# KiCad board we816.kicad_pcb (continued)
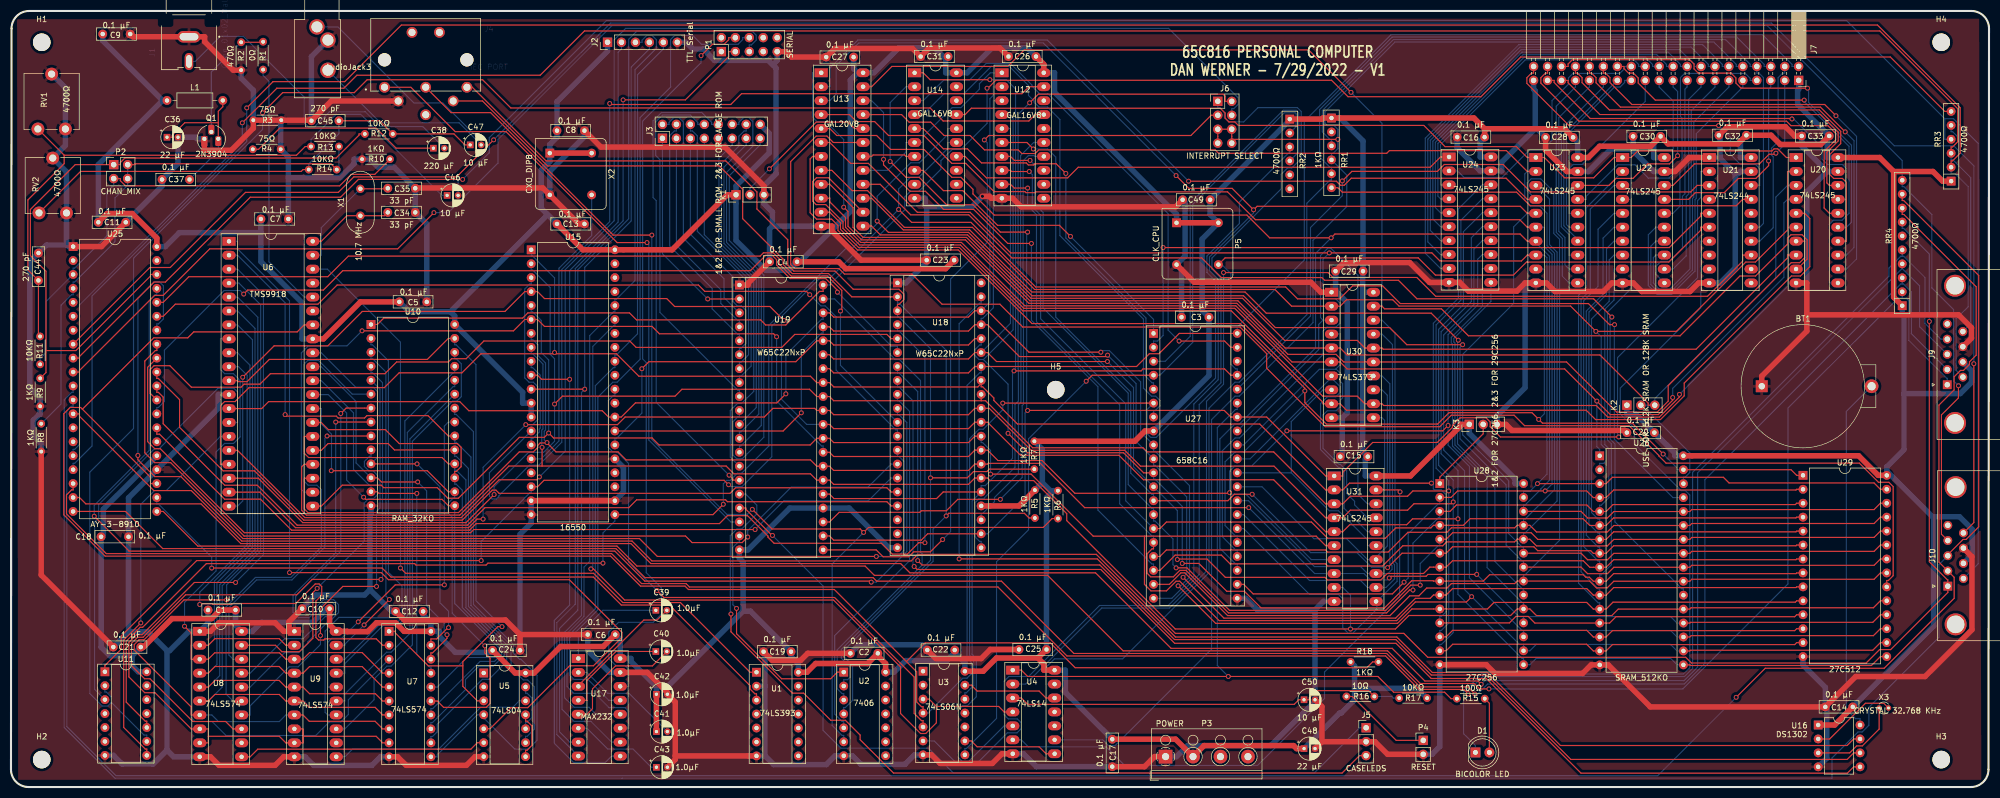
[diagram p0: board, top side]
## Nets (continued)
D2: U6.19 U15.3 U18.31 U19.31 U24.16 U26.15 U28.13 U29.13 U31.4
D3: U6.20 U15.4 U18.30 U19.30 U24.15 U26.17 U28.15 U29.15 U31.5
D4: U6.21 U15.5 U18.29 U19.29 U24.14 U26.18 U28.16 U29.16 U31.6
D5: U6.22 U15.6 U18.28 U19.28 U24.13 U26.19 U28.17 U29.17 U31.7
D6: U6.23 U15.7 U18.27 U19.27 U24.12 U26.20 U28.18 U29.18 U31.8
D7: U6.24 U15.8 U18.26 U19.26 U24.11 U26.21 U28.19 U29.19 U31.9
DATA_DIR: U14.14 U24.1
EMU: R15.2 U4.1 U27.35
INT: RR2.2 U3.8 U27.4
IO: U12.1 U13.17 U14.6
KB_CAPS_LED: J3.11 U19.14
KB_GRAPH_LED: J3.10 U19.15
LED_1: J5.3 U19.16
LED_2: J5.1 U19.17
LED_ANODE: D1.1 U21.7
ML: U14.5 U27.5
N_EMU: U4.2 U21.13
NMI: RR2.3 U3.12 U27.6
O1_ROM: U13.19 U29.20
P1_A: J9.6 RR3.2 U25.17
P1_B: J9.9 RR3.3 U25.16
P1_D: J9.2 RR4.3 U25.20
P1_L: J9.3 RR4.4 U25.19
P1_R: J9.4 RR4.5 U25.18
P1_U: J9.1 RR4.2 U25.21
P2_A: J10.6 RR3.4 U25.9
P2_B: J10.9 RR3.5 U25.8
P2_D: J10.2 RR4.8 U25.12
P2_L: J10.3 RR4.9 U25.11
P2_R: J10.4 RR4.10 U25.10
P2_U: J10.1 RR4.7 U25.13
RD: U11.10 U14.16 U15.21 U26.24 U28.22 U29.22
RESET: J7.2 R18.2 U3.4 U6.34 U18.34 U19.34 U25.23 U27.40
ROWA: J3.15 U19.10
ROWB: J3.14 U19.11
ROWC: J3.13 U19.12
ROWD: J3.12 U19.13
RTS: P1.4 U17.14
RTS_TTL: J2.5 U15.32 U17.11
RW: U14.2 U18.22 U19.22 U21.2 U27.34 U31.1
RX: P1.3 U17.8
SERATNOUT: U2.5 U18.9
SERCLKIN: J4.4 R5.2 U2.4 U18.2
SERCLKOUT: U2.3 U19.39
SERDATAIN: J4.5 R7.2 U2.2 U18.3
SERDATAOUT: U2.1 U19.19
SERSRQ: J4.1 U19.18
SIN_TTL: J2.2 U15.10 U17.9
SOUT_TTL: J2.4 U15.11 U17.10
TX: P1.5 U17.7
UART_INT: U3.5 U15.30
URESET: U3.3 U4.4 U15.35
USERA_2: U18.4 U25.27
USERA_3: U18.5 U25.29
USERA_4: U18.6 U25.28
USERA_5: U16.6 U18.7
USERA_6: U16.5 U18.8
USERB_0: U18.10 U25.37
USERB_1: U18.11 U25.36
USERB_2: U18.12 U25.35
USERB_3: U18.13 U25.34
USERB_4: U18.14 U25.33
USERB_5: U18.15 U25.32
USERB_6: U18.16 U25.31
USERB_7: U18.17 U25.30
USERCA_2: U16.7 U18.39
V_INT: J6.4 U6.16
VAD0: U6.10 U7.2
VAD1: U6.9 U7.3 U8.2 U9.2
VAD2: U6.8 U7.4 U8.3 U9.3
VAD3: U6.7 U7.5 U8.4 U9.4
VAD4: U6.6 U7.6 U8.5 U9.5
VAD5: U6.5 U7.7 U8.6 U9.6
VAD6: U6.4 U7.8 U8.7 U9.7
VAD7: U6.3 U7.9 U8.8 U8.9 U9.8 U9.9
VCAS: U5.9 U6.2 U10.20
VCOL: U5.12 U9.11
VD0: U6.32 U7.19 U10.11
VD1: U6.31 U7.18 U10.12
VD2: U6.30 U7.17 U10.13
VD3: U6.29 U7.16 U10.15
VD4: U6.28 U7.15 U10.16
VD5: U6.27 U7.14 U10.17
VD6: U6.26 U7.13 U10.18
VD7: U6.25 U7.12 U10.19
VDA: U14.3 U27.39
VDPRD: U6.15 U11.8
VDPWR: U6.14 U11.3
VIA1_INT: J6.2 U18.21
VIA2_INT: J6.3 U19.21
VP: U14.8 U27.1
VPA: U14.4 U27.7
VRAM_BANK: RR3.6 U10.1 U19.40
VRAS: U5.5 U6.1
VRD: U5.4 U7.11 U10.22
VROW: U5.6 U8.11
VRW: U5.3 U6.11 U7.1 U10.27
WAIT: U21.5 U27.2
WR: U11.1 U14.15 U15.18 U26.29
Net-(BT1-Pad1): BT1.1 U16.8
Net-(C34-Pad1): C34.1 U6.40 X1.1
Net-(C35-Pad1): C35.1 U6.39 X1.2
Net-(C36-Pad1): C36.1 C37.1 L1.2 Q1.3
Net-(C38-Pad1): C38.1 R4.2
Net-(C39-Pad1): C39.1 U17.1
Net-(C39-Pad2): C39.2 U17.3
Net-(C40-Pad1): C40.1 U17.4
Net-(C40-Pad2): C40.2 U17.5
Net-(C41-Pad2): C41.2 U17.2
Net-(C43-Pad1): C43.1 U17.6
Net-(C44-Pad2): C44.2 C46.1 R11.1 R13.2 RV1.3
Net-(C45-Pad1): C45.1 C47.1 R12.1 R14.2 RV2.3
Net-(C46-Pad2): C46.2 J8.S
Net-(C47-Pad2): C47.2 J8.R
Net-(C50-Pad1): C50.1 R16.1 R17.2 U4.3
Net-(D1-Pad2): D1.2 R15.1
Net-(J4-Pad3): J4.3 R6.2 U2.6
Net-(J6-Pad1): J6.1 U3.6
Net-(K1-Pad2): K1.2 U13.20
Net-(K2-Pad2): K2.2 U26.30
Net-(K3-Pad2): K3.2 U28.1
Net-(P2-Pad1): P2.1 R9.1 R12.2 U25.38
Net-(P2-Pad2): P2.2 P2.4 R8.1 R13.1 R14.1 U25.4
Net-(P2-Pad3): P2.3 R10.1 R11.2 U25.3
Net-(P4-Pad1): P4.1 R16.2
Net-(Q1-Pad2): Q1.2 R1.1 R2.1
Net-(U1-Pad3): U1.3 U25.22
Net-(U3-Pad9): U3.9 U4.8
Net-(U3-Pad13): U3.13 U4.12
Net-(U5-Pad10): U5.10 U5.13
Net-(U5-Pad11): U5.8 U5.11
Net-(U10-Pad2): U9.14 U10.2
Net-(U10-Pad3): U9.19 U10.3
Net-(U10-Pad4): U8.13 U10.4
Net-(U10-Pad5): U8.14 U10.5
Net-(U10-Pad6): U8.15 U10.6
Net-(U10-Pad7): U8.16 U10.7
Net-(U10-Pad8): U8.17 U10.8
Net-(U10-Pad9): U8.18 U10.9
Net-(U10-Pad10): U8.19 U10.10
Net-(U10-Pad21): U9.16 U10.21
Net-(U10-Pad23): U9.15 U10.23
Net-(U10-Pad24): U9.17 U10.24
Net-(U10-Pad25): U9.18 U10.25
Net-(U10-Pad26): U9.13 U10.26
Net-(U15-Pad15): U15.9 U15.15
Net-(U16-Pad2): U16.2 X3.2
Net-(U16-Pad3): U16.3 X3.1
Net-(U30-Pad11): U4.6 U30.11 U31.19

Pads without a net: J4 6 S1 S2; J9 0 5; J10 0 5; P1 1 2 7 8 10; P3 3 4; RR1 2; RR2 5 6; RR4 6; U1 4 5 6 8 9 10 11 12 13; U2 8 9 10 11 12 13; U3 1 2 10 11; U4 10 11; U5 1 2; U6 35 37; U8 12; U9 12; U11 4 5 6 11 12 13; U12 11 12 13 16 18; U14 9 11 12 13 18 19; U15 17 23 24 29 31 33 34 37 38 39; U18 18 19 40; U21 4 8 9 11 12 16; U25 2 5 6 7 14 15 26 39; U27 38

## Via types
v1: diameter 0.889, hole 0.584, Component to Copper, 183 vias

## Routing (per net, layer and track width the routed paths; a pad name or vN(x,y) marks a point on that pad's centre or on a via; arc(x,y) is an arc through that point)
GND: length 1837.5
  Component w1: J4.2 58.3,125 C45.2 54.6,121.5 R3.1 R3.2 44.12,120.05 40.1,116.02 35.22,116.02 35.2,116.05 Q1.1 ; U22.19 302.96,112.16 305.5,114.7 U21.1 ; 326.93,86.03 326.93,83.07 318.73,74.86 BT1.2 ; 326.93,86.03 354.56,86.03 356.9,83.69 356.9,81.79 J9.8 ; 326.93,86.03 326.93,91.84 U20.10 ; C2.2 145.04,24.36 143.76,23.08 138.59,23.08 C19.2 ; P4.2 250.6,5.96 248.3,8.26 J5.2 238.66,8.26 ; U21.10 307.23,91.84 305.67,90.28 296.9,90.28 295.34,91.84 U22.10 291.43,91.84 289.88,90.29 281.1,90.29 279.55,91.84 U23.10 275.64,91.84 274.17,90.37 265.33,90.37 263.75,91.94 U24.10 258.25,91.94 254.64,95.55 242.69,95.55 C29.2 ; U4.7 180.42,6.06 178.66,4.3 169.15,4.3 167.59,5.86 U3.7 ; 120.93,5.67 120.93,15.47 C42.2 119.5,17.22 115.84,20.88 U17.15 ; 120.93,5.67 120.93,5.03 C43.2 ; 120.93,5.67 U1.7 ; C28.2 279.38,116.04 283.26,112.16 U23.19 ; P3.1 208.19,5.54 206.36,3.71 C17.2 ; 92.67,27.78 90.02,30.43 71.59,30.43 C12.2 ; 92.67,27.78 C24.2 ; 92.67,27.78 C6.2 ; v1(176.85,107.63) 178.09,107.63 178.45,107.28 U12.10 182.35,107.28 183.92,105.72 212.02,105.72 C49.2 ; U15.19 U15.22 ; K3.3 272.16,66.07 273.25,64.98 293.77,64.98 C20.2 ; C48.2 238.66,8.26 ; 238.66,8.26 238.66,14.64 C50.2 ; U8.1 36.32,28.37 37.87,29.92 48.09,29.92 49.64,28.37 50.62,28.37 ; C22.2 168.37,23.4 176.63,23.4 178.29,25.06 C25.2 ; U13.12 149.45,102.2 149.45,101.31 154.76,96 C23.2 ; P1.9 141.09,134 142.09,133 C27.2 149.97,134.57 164.13,134.57 C31.2 167.16,134.66 180.04,134.66 C26.2 ; 50.62,28.37 50.62,30.12 C10.2 ; 50.62,28.37 U9.1 ; J3.9 128.76,116.6 ; 128.76,116.6 107.4,116.6 C8.2 ; 128.76,116.6 129.99,116.6 137.07,109.51 K1.3 ; U7.10 70.38,5.51 71.94,3.95 82.92,3.95 84.5,5.54 U5.7 ; R8.2 5.5,38.62 C21.2 ; U8.10 36.32,5.51 37.88,3.95 48.08,3.95 49.64,5.51 U9.10 ; J10.8 357,41.97 357,28.67 348.46,20.13 335.83,20.13 C14.2 298.43,14.6 290.78,22.25 U26.16 287.67,22.25 286.12,20.7 270.15,20.7 268.57,22.28 U28.14 ; C4.2 134.16,91.76 134.16,91.47 U19.1 ; C13.2 103.38,102.6 X2.4 96.83,109.15 73.65,109.15 C35.2 ; U25.1 16.47,98.47 C11.2 ; C33.2 324.72,118.62 323.04,120.31 312.48,120.31 C32.2 ; U30.1 238.46,90.15 236.64,91.97 215.41,91.97 P5.4 ; C9.2 22.2,136.7 J1.1 35.25,136.7 35.25,135.81 40.45,130.62 R2.2
  Copper w1: C16.2 263.27,116.45 267.47,112.26 U24.19 271.37,112.26 271.37,113.85 277.48,119.96 ; U1.2 137.27,18.37 ; 313.9,111.76 313.9,94.61 311.14,91.84 U21.10 ; 313.9,111.76 314.45,111.76 314.85,112.16 U21.19 ; 313.9,111.76 311.14,114.53 311.14,114.7 ; 277.48,119.96 277.79,119.96 C28.2 ; 277.48,119.96 277.48,126.85 277.19,127.15 J7.39 ; U13.12 138.62,102.2 ; U31.10 238.94,33.82 237.4,32.28 ; 295.3,116.25 291.26,116.25 287.17,112.16 U23.19 ; 295.3,116.25 295.3,115.91 299.05,112.16 U22.19 ; 295.3,116.25 C30.2 ; U8.10 29.61,5.51 28.4,6.72 ; C15.2 242.36,60.56 242.36,67.29 ; U9.10 53.55,5.51 55.11,3.95 65.71,3.95 67.27,5.51 U7.10 ; 65.35,35.97 65.35,49.52 65.54,49.71 U10.14 ; 65.35,35.97 69.32,32 C12.2 ; 65.35,35.97 64.37,34.99 55.49,34.99 C10.2 ; 137.27,18.37 137.27,24.4 C19.2 ; 137.27,18.37 137.27,5.67 ; 10.1,98.76 RV2.1 10.1,112.1 RV2.2 9.9,116.9 RV1.1 9.9,127.4 RV1.2 ; 10.1,98.76 6.46,98.76 C44.1 3.44,95.74 3.44,72.72 5.31,70.84 R9.2 5.31,67.93 5.16,67.93 4.04,66.81 4.04,64.04 5.5,62.57 R8.2 ; 10.1,98.76 10.24,98.76 10.53,98.47 U25.1 ; 311.14,114.7 311.14,118.54 C32.2 ; 311.14,114.7 U21.1 ; C29.2 241.14,90.39 240.9,90.15 ; 138.68,131.59 139.49,132.4 P1.9 ; 138.68,131.59 137.88,132.39 128.07,132.39 126.83,133.63 126.83,133.77 126.13,134.47 124.14,134.47 122.9,135.7 J2.6 ; 138.68,131.59 139.27,131 139.27,111.71 137.07,109.51 K1.3 137.07,106.31 138.62,104.76 138.62,102.2 ; 21.4,28.28 24.97,28.28 28.4,24.85 ; 21.4,28.28 C18.2 21.4,52.68 U25.24 37.74,69.02 37.74,71.5 U6.12 ; 21.4,28.28 C21.2 ; U20.10 326.93,91.84 326.93,108.45 330.64,112.16 ; U20.19 330.64,112.16 ; 330.64,112.16 326,116.8 C33.2 ; X2.4 98.09,112.18 104.4,118.49 C8.2 ; C49.2 213.74,106.56 213.74,96.74 P5.4 213.1,94.28 C3.2 ; C2.2 154.37,25.92 165.85,25.92 C22.2 ; 166.7,105.7 C23.2 166.7,95.63 162.93,91.86 U18.1 ; 166.7,105.7 166.45,105.95 166.45,107.28 U14.10 ; 166.7,105.7 174.93,105.7 v1(176.85,107.63) ; 28.4,24.85 28.89,24.85 32.41,28.37 U8.1 35.88,29.88 C1.2 ; 28.4,24.85 28.4,6.72 ; U15.19 U15.20 94.7,48.08 92.67,46.05 C24.2 ; U11.7 18.65,5.76 20.23,4.18 25.87,4.18 28.4,6.72 ; U23.10 275.64,91.84 275.64,72.76 270.56,67.68 K3.3 ; U28.14 260.12,7.37 258.7,5.96 P4.2 ; 137.27,5.67 138.85,4.09 148.44,4.09 150.05,5.7 U2.7 153.15,5.7 154.72,4.14 162.76,4.14 164.49,5.86 U3.7 ; 137.27,5.67 U1.7 ; J8.T 54.7,133.1 C45.2 ; 240.9,90.15 241.39,90.15 243.28,88.26 243.28,68.21 242.36,67.29 ; 240.9,90.15 U30.1 ; U30.10 242.36,67.29 ; U4.7 184.32,6.06 186.67,3.71 C17.2 ; 237.4,32.28 C50.2 237.4,15.62 229.33,7.54 214.2,7.54 212.19,5.54 P3.1 ; 237.4,32.28 226.9,32.28 224.79,34.39 U27.21 ; C4.2 138.1,101.68 138.62,102.2 ; C11.2 27.5,109.5 C37.2 30.4,113.6 C36.2 33.6,118.4 33.9,118.1 Q1.1 ; C5.2 75.7,102.6 C34.2 C35.2 69.75,112.95 66.83,112.95 65.37,114.4 R10.2 62.47,114.4 62.47,113.58 59.92,111.04 50.5,111.04 ; U15.22 111.49,53.72 111.49,58.24 U15.25 ; 50.5,111.04 C7.2 ; 50.5,111.04 50.5,114.8 R4.1 49.1,121.4 R3.1 ; U16.4 330.57,5.25 330.57,14.33 C14.2 330.3,18.16 326.24,22.22 U29.14 ; U17.15 108.96,20.88 105,24.84 C6.2 ; R2.2 41.9,129.17 44.12,126.95 R3.2
VCC: length 1517.7
  Component w1: U4.14 188.04,21.3 188.04,22.43 186.96,23.51 ; 304.46,60.35 336.36,60.35 339.93,56.79 U29.28 ; C11.1 17.48,104.48 22.09,104.48 26.55,100.02 U25.40 ; C6.1 107.82,25.6 100.05,25.6 95.23,20.78 U5.14 91.8,20.78 C24.1 ; C48.1 234.05,7 233.5,7.54 217.19,7.54 P3.2 212.02,8.71 C17.1 ; RR3.1 351.65,110.4 349.9,112.15 342.74,112.15 ; P5.1 P5.8 ; U27.8 206.45,64.87 204.58,63 R7.1 ; C10.1 58,29.59 U9.20 61.17,28.37 61.23,28.31 64.92,28.31 66.53,29.92 70.01,29.92 71.56,28.37 U7.20 ; 268.27,119.95 282.8,119.95 C28.1 ; 268.27,119.95 C16.1 ; 268.27,119.95 266.32,121.9 RR1.1 238.85,121.9 238.65,121.7 RR2.1 ; K1.1 130.39,107.91 120.37,97.89 U15.40 104.11,97.89 C13.1 ; U20.20 340.19,114.7 342.74,112.15 ; C4.1 150.71,95.7 151.96,94.45 170.15,94.45 C23.1 ; U1.14 144.89,20.91 146.49,22.51 155.96,22.51 157.58,24.13 ; 342.74,112.15 342.74,89.26 RR4.1 ; 186.96,23.51 C25.1 ; 186.96,23.51 179.39,23.51 176.99,21.1 U3.14 ; C42.1 C41.1 ; U16.1 332,11.3 C14.1 ; C1.1 38.07,32.25 36.51,30.69 29.3,30.69 24.11,25.5 C21.1 ; C5.1 63.62,88.4 56.88,81.66 U6.33 ; K3.1 263.87,66.07 263.87,65.77 254.78,56.68 U31.20 ; R5.1 183.52,51.22 178.17,51.22 U18.24 ; C33.1 329.45,117.07 322.12,117.07 320.44,118.75 C32.1 314.36,117.19 301.66,117.19 C30.1 298.5,116.75 289.21,116.75 287.17,114.7 U23.20 ; X2.8 X2.1 ; 157.58,24.13 159.22,22.49 U2.14 ; 157.58,24.13 C2.1 ; C26.1 188.02,131.68 U12.20
  Copper w1: U24.20 267.47,114.8 267.47,117.62 C16.1 ; 350.02,49.03 350.23,49.25 354.74,49.25 357.03,46.95 357.03,42.34 J10.7 ; 350.02,49.03 341.48,57.57 ; 350.02,49.03 350.02,29.32 C14.1 ; C42.1 117.5,18.25 ; 117.5,18.25 112.86,22.89 112.86,23.42 U17.16 110.91,26.86 C6.1 ; 117.5,18.25 119.49,18.25 133.29,32.05 ; C11.1 15.9,113.41 27.59,125.1 ; K3.1 265.48,64.47 273.8,56.14 273.8,55.31 U28.28 ; U21.20 314.85,114.7 314.85,117.67 C32.1 ; U30.20 246.08,90.15 ; 246.08,90.15 246.08,61.12 C15.1 246.56,59.76 246.56,56.68 U31.20 ; 246.08,90.15 246.08,93.94 C29.1 246.14,117.71 241.95,121.9 RR1.1 ; 244.6,17.98 244.6,22.07 R18.1 ; 244.6,17.98 256.02,17.98 R17.1 ; 244.6,17.98 244.6,15.89 242.2,13.49 241.89,13.49 C48.1 ; K2.1 294.18,67.97 295.78,67.97 C20.1 302.91,60.84 302.91,60.35 304.46,60.35 ; C12.1 75.03,31.35 76.45,29.92 U7.20 78,28.37 78,27.43 80.89,24.53 87.31,24.53 C24.1 ; 22.06,23.93 22.06,22.11 23.17,21 U11.14 ; 22.06,23.93 C21.1 ; 22.06,23.93 17.97,23.93 16.4,25.5 C18.1 16.81,46.01 16.81,50.63 U25.25 ; C9.1 16.7,135.99 27.59,125.1 ; 170.17,132.67 168.13,134.7 161.63,134.7 157.07,130.14 U13.24 154.14,130.14 ; 170.17,132.67 C31.1 ; 170.17,132.67 170.17,130.14 U14.20 174.07,130.14 178.62,134.68 185.02,134.68 C26.1 ; U12.20 189.97,130.14 189.97,126.58 212.19,104.36 P5.1 ; 344.62,71.69 344.62,61.48 341.48,58.34 341.48,57.57 ; 344.62,71.69 354.87,71.69 356.92,73.74 356.92,75.85 355.34,77.44 J9.7 ; 344.62,71.69 344.62,85.83 344.3,86.15 RR4.1 ; 97.7,104.3 96.54,105.46 96.54,112.4 98.09,113.96 X2.1 98.09,117.06 99.4,118.37 C8.1 99.4,124.9 108.6,134.1 J2.1 ; 97.7,104.3 80.01,86.6 ; 97.7,104.3 C13.1 ; U1.14 143.34,22.46 142.01,23.79 C19.1 134.62,32.05 133.29,32.05 ; U20.20 330.64,114.7 330.64,118.27 C33.1 325.25,124.37 325.25,126.95 325.45,127.15 J7.1 ; C5.1 72.5,86.6 80.01,86.6 ; 187.75,55.45 187.75,61.55 R7.1 ; 187.75,55.45 189.49,53.72 ; 187.75,55.45 R5.1 ; 45.5,101.01 45.5,95.72 52.98,88.25 52.98,81.66 U6.33 ; 45.5,101.01 30.65,101.01 28.1,98.47 U25.40 ; 45.5,101.01 C7.1 ; 27.59,125.1 L1.1 ; U22.20 299.05,114.7 299.05,117.3 C30.1 ; U27.8 218.1,74.97 C3.1 216.85,86.85 216.85,99.85 P5.8 218.3,104.32 C49.1 232.8,121.5 RR2.1 ; C27.1 153.4,130.88 154.14,130.14 ; R6.1 189.77,54 189.49,53.72 ; U2.14 160.77,20.94 162.86,23.03 170.34,23.03 171.81,24.5 ; J3.16 138.01,119.11 138.01,115.54 131.99,109.51 K1.1 131.99,99.6 137.45,94.14 141.54,94.14 C4.1 143.65,95.7 152.8,104.85 152.8,128.8 154.14,130.14 ; 341.48,57.57 U29.28 ; C17.1 191.94,17.26 191.94,21.3 U4.14 ; U18.20 159.83,43.6 152.6,50.83 U19.24 141.78,50.83 134.16,43.21 U19.20 132.61,41.66 133.29,40.98 133.29,32.05 ; 80.01,86.6 80.78,85.83 U10.28 93.15,71.91 93.15,69.95 U15.12 U15.13 ; C28.1 285.21,117.54 U23.20 ; 189.49,53.72 188.51,52.74 C25.1 ; 171.81,24.5 173.66,22.65 U3.14 ; 171.81,24.5 C22.1 ; C1.1 40.88,29.48 U8.20 43.94,28.37 45.57,30 54.94,30 57.44,32.5 C10.1
/Video/COMVID: length 61.9
  Copper w0.203: J1.2 33.53,132.2 38.1,136.77 42.33,136.77 53.38,125.72 53.38,121.05 54.19,120.24 55.18,120.24 57.97,123.03 64.5,123.03 67.2,120.34 74.96,120.34 C38.2
A0: length 476.4
  Component w0.203: U29.10 325.08,33.93 324.84,33.69 291.65,33.69 290.38,32.41 U26.12 288.07,32.41 286.85,33.63 269.98,33.63 268.8,32.44 255.04,32.44 252.41,29.82 219.31,29.82 v1(212.47,36.66) ; U6.13 45.63,68.96 46.9,70.22 81.7,70.22 83.35,68.57 107.63,68.57 108.78,67.41 U15.28 111.1,67.41 113.68,69.99 139.42,69.99 v1(141.07,71.64) ; U19.38 149.01,86.39 149.78,85.62 174.3,85.62 175.46,86.78 U18.38 177.78,86.78 185.33,79.23 v1(198.41,79.23)
  Copper w0.203: U18.38 178.21,88.37 178.21,125.41 178.84,126.04 178.84,127.6 U12.2 ; U22.2 286.77,105.54 286.77,90.99 285.37,89.6 285.37,37.13 288.94,33.57 289.23,33.57 U26.12 ; v1(212.47,36.66) 212.96,36.66 214.55,38.24 214.55,54.92 208.29,61.17 208,61.17 U27.9 205.65,64.68 205.65,73.82 199.96,79.51 198.69,79.51 v1(198.41,79.23) ; v1(141.07,71.64) 141.07,78.74 147.56,85.23 147.85,85.23 U19.38
A1: length 397.8
  Component w0.203: U29.9 325.08,36.47 324.95,36.34 291.76,36.34 290.38,34.95 U26.11 288.07,34.95 286.87,36.15 262.44,36.15 261.27,34.98 258.96,34.98 258.35,34.38 255.68,34.38 252.07,30.77 220.82,30.77 v1(213.38,38.21) ; v1(199.63,78.69) 199.37,78.43 183.59,78.43 177.78,84.24 U18.37 175.46,84.24 174.31,83.08 149.77,83.08 149.01,83.85 U19.37 ; U15.27 140.57,64.87 v1(143.88,68.18)
  Copper w0.203: U22.3 291.83,109.62 287.51,105.3 287.51,90.52 285.83,88.84 285.83,39.22 288.94,36.11 289.23,36.11 U26.11 ; v1(213.38,38.21) 214.03,38.86 214.03,52.87 208.27,58.63 208,58.63 U27.10 204.81,62.98 204.81,73.51 v1(199.63,78.69) ; U19.37 147.85,82.69 147.56,82.69 143.88,79.01 v1(143.88,68.18) ; U18.37 176.62,85.4 176.91,85.4 178.84,87.33 178.84,125.06 U12.3
A2: length 392.9
  Component w0.203: U18.36 175.46,81.7 174.31,80.54 149.77,80.54 149.01,81.31 U19.36 146.69,81.31 142.88,77.5 116.13,77.5 v1(114.85,76.22) ; v1(181.51,64.45) 185.06,60.9 202.55,60.9 206.2,57.25 U27.11 ; U29.8 325.08,39.01 324.95,38.88 291.76,38.88 290.38,37.5 288.07,37.5 287.34,38.22 286.69,38.22 286.24,38.68 269.18,38.68 268.02,37.53 U28.8 258.96,37.53 258.9,37.59 255,37.59 250.07,32.65 227.55,32.65 224.54,35.66 221.33,35.66 216.26,40.74 v1(213.23,40.74)
  Copper w0.203: 289.23,37.5 289.23,38.65 289.49,38.65 291.34,40.5 291.34,62.53 290.63,63.25 290.63,86.51 294.94,90.83 294.94,107.08 U22.4 ; v1(213.23,40.74) 213.23,51.13 208.27,56.09 208,56.09 U27.11 ; U15.26 109.94,63.49 110.21,63.49 114.85,68.13 v1(114.85,76.22) ; v1(181.51,64.45) 181.51,73.4 177.02,77.89 ; U18.36 176.62,80.54 176.35,80.54 175.42,79.62 175.42,78.7 176.23,77.89 177.02,77.89 ; 177.02,77.89 182.43,83.29 182.43,122.05 181.96,122.52 U12.4
A3: length 327
  Component w0.203: v1(199.6,77.53) 179.41,77.53 177.78,79.16 U18.35 175.46,79.16 174.3,78 149.78,78 149.01,78.77 U19.35 ; v1(212.33,41.46) 212.41,41.54 217.74,41.54 221.08,38.2 239.22,38.2 239.69,37.73 249.38,37.73 250.56,38.91 257.16,38.91 258.31,40.06 U28.7 261.27,40.06 262.43,41.22 286.24,41.22 287.42,40.03 U26.9 290.38,40.03 291.76,41.42 324.95,41.42 325.08,41.55 U29.7
  Copper w0.203: v1(199.6,77.53) 204.35,72.77 204.35,58.36 U27.12 212.33,50.38 v1(212.33,41.46) ; U18.35 181.96,84.5 181.96,119.98 U12.5 ; U26.9 289.23,41.19 288.94,41.19 286.3,43.82 286.3,88.59 288.93,91.21 288.93,101.64 291.83,104.54 U22.5
A4: length 272.3
  Component w0.203: v1(250.62,39.97) 253.25,42.6 261.27,42.6 262.44,43.77 277.24,43.77 277.95,43.06 287.58,43.06 288.07,42.57 U26.8 290.38,42.57 291.76,43.96 324.95,43.96 325.08,44.09 U29.6 ; v1(186.12,116.25) 184.93,117.44 U12.6 ; v1(225.96,53.34) 222.7,53.34 221.53,52.17 U27.13
  Copper w0.203: v1(186.12,116.25) 188.72,116.25 190.2,114.78 190.2,85.62 203.85,71.97 203.85,57.19 207.71,53.33 208,53.33 U27.13 ; v1(250.62,39.97) 250.54,40.06 247.69,40.06 245.04,42.71 236.59,42.71 v1(225.96,53.34) ; U22.6 291.83,102 289.84,100.01 289.84,89.78 286.79,86.72 286.79,45.88 288.94,43.73 289.23,43.73 U26.8
A5: length 277.1
  Component w0.203: v1(185.52,114.17) 182.68,114.17 181.96,114.9 U12.7 ; v1(256.55,36.78) 254.85,36.78 250.25,32.18 221.84,32.18 214.09,39.93 v1(212.11,39.93) ; 260.12,45.14 261.27,45.14 262.46,46.33 276.74,46.33 277.96,45.11 U26.7 290.38,45.11 291.76,46.5 324.95,46.5 325.08,46.63 U29.5
  Copper w0.203: v1(185.52,114.17) 186.4,113.3 186.4,106.2 187.9,104.7 187.9,87.27 203.39,71.78 203.39,55.1 207.71,50.79 208,50.79 U27.14 208,48.47 208.27,48.47 211.53,45.21 211.53,40.51 v1(212.11,39.93) ; v1(256.55,36.78) 256.55,40.72 259.83,43.99 260.12,43.99 260.12,45.14 ; U22.7 291.83,99.46 290.46,98.09 290.46,89.75 287.27,86.56 287.27,47.93 288.94,46.27 289.23,46.27 U26.7
A6: length 255.4
  Component w0.203: U27.15 209.16,47.09 210.35,48.28 236.74,48.28 239.69,45.34 250.22,45.34 252.1,47.22 258.49,47.22 258.96,47.69 U28.4 264.41,47.69 265.62,48.89 286.18,48.89 287.42,47.66 U26.6 290.38,47.66 291.76,49.04 324.95,49.04 325.08,49.17 U29.4 ; v1(185.37,112.15) 182.17,112.15 181.96,112.36 U12.8
  Copper w0.203: U22.8 291.83,96.92 290.95,96.04 290.95,88.5 287.73,85.28 287.73,50.02 288.94,48.81 289.23,48.81 U26.6 ; v1(185.37,112.15) 185.94,111.58 185.94,105.69 187.44,104.19 187.44,85.32 202.94,69.83 202.94,52.15 U27.15
A7: length 271.4
  Component w0.203: v1(185.08,109.13) 182.64,109.13 181.96,109.82 U12.9 ; v1(255.23,35.89) 254.6,35.89 250.44,31.73 221.65,31.73 213.9,39.48 212.79,39.48 211.61,38.3 207.49,38.3 206.82,38.97 206.82,42.48 207.73,43.39 208,43.39 U27.16 ; U28.3 261.98,50.22 263.14,51.38 286.88,51.38 288.07,50.19 U26.5 290.38,50.19 291.65,51.47 324.84,51.47 325.08,51.71 U29.3
  Copper w0.203: U26.5 289.23,51.35 289.51,51.35 290.89,52.72 290.89,61.69 290.15,62.43 290.15,87.05 291.83,88.73 291.83,94.38 U22.9 ; U27.16 208,45.71 207.74,45.71 201.83,51.62 201.83,69.64 186.69,84.78 186.69,104.29 185.08,105.9 v1(185.08,109.13) ; v1(255.23,35.89) 255.23,44.44 259.85,49.07 260.12,49.07 U28.3
A8: length 337.4
  Component w0.203: U23.2 276.04,112.16 272.24,115.96 250.94,115.96 250.45,115.46 219.85,115.46 219.22,116.09 187.11,116.09 186.44,115.43 184.02,115.43 183.36,116.08 177.23,116.08 174.61,118.71 169.86,118.71 167.44,121.14 163.52,121.14 162.13,122.52 U13.21 ; U29.25 340.32,49.17 339.17,48.01 305.98,48.01 305.62,47.66 291.8,47.66 290.62,46.48 277.72,46.48 276.51,47.69 U28.25 274.2,47.69 273.74,47.23 262.23,47.23 261.42,46.41 254.31,46.41 250.71,42.81 239.69,42.81 239.31,43.19 210.34,43.19 209.16,42.01 U27.17
  Copper w0.203: U23.2 276.04,112.16 275.58,111.7 275.58,106.97 276.66,105.89 278.29,105.89 279.63,104.55 279.63,98.64 281,97.26 281,54.18 275.66,48.84 275.36,48.84 U28.25
A9: length 323.8
  Component w0.203: v1(185.77,99.04) 181.46,99.04 175.26,105.24 169.78,105.24 166.47,108.55 163.67,108.55 158.85,113.38 v1(158.85,114.36) ; U29.24 340.32,46.63 339.17,45.47 305.98,45.47 305.62,45.11 291.8,45.11 290.61,43.93 277.72,43.93 276.51,45.14 274.2,45.14 273.72,44.67 261.36,44.67 260.65,43.96 253.38,43.96 249.69,40.27 239.69,40.27 239.3,40.66 221.94,40.66 220.35,42.26 211.94,42.26 209.16,39.47 U27.18
  Copper w0.203: U13.22 156.68,125.06 158.85,122.89 v1(158.85,114.36) ; 275.36,45.14 275.36,46.3 275.64,46.3 281.46,52.12 281.46,97.45 280.09,98.83 280.09,107.13 U23.3 ; v1(185.77,99.04) 185.77,85.05 197.88,72.94 197.88,50.46 207.71,40.63 208,40.63 U27.18
A10: length 374.5
  Component w0.203: U29.21 340.32,39.01 339.17,37.85 305.98,37.85 305.62,37.5 291.8,37.5 290.59,36.29 288.63,36.29 287.39,37.53 U28.21 274.2,37.53 273.74,37.07 262.23,37.07 261.42,36.25 257.74,36.25 256.32,34.84 254.65,34.84 251.05,31.24 221.48,31.24 213.71,39.02 212.98,39.02 210.89,36.93 U27.19 ; U23.4 276.04,107.08 272.19,110.92 243.99,110.92 242.7,109.63 242.04,109.63 241.29,110.38 v1(214.38,110.38)
  Copper w0.203: U28.21 275.36,38.68 275.64,38.68 281.92,44.96 281.92,99.8 280.86,100.86 280.86,108.45 278.49,110.81 276.74,110.81 276.04,110.11 276.04,108.64 U23.4 ; v1(214.38,110.38) 188.66,136.1 154.18,136.1 149.06,130.97 149.06,127.6 U13.2
A11: length 373.4
  Component w0.203: 275.36,42.6 285.82,42.6 287.02,41.41 290.63,41.41 291.8,42.57 305.62,42.57 305.98,42.93 339.17,42.93 340.32,44.09 U29.23 ; v1(212.11,111.41) 214.43,109.08 222.3,109.08 v1(226.21,105.17) 226.85,105.81 274.77,105.81 276.04,104.54 U23.5
  Copper w0.203: U13.3 149.06,125.06 150.23,126.23 150.23,131.48 154.34,135.59 187.92,135.59 v1(212.11,111.41) ; v1(226.21,105.17) 226.21,104.61 218.18,96.57 218.18,94.14 219.78,92.53 219.78,74.22 215.33,69.77 215.33,38.38 211.34,34.39 U27.20 ; 275.36,42.6 275.36,43.76 275.07,43.76 272.65,46.18 272.65,55.8 264.27,64.18 264.27,78.82 273.56,88.11 273.56,102.06 276.04,104.54 U23.5
A12: length 307.4
  Component w0.203: v1(253.61,37.32) 251.47,35.19 226.14,35.19 224.4,36.93 U27.22 ; U29.2 325.08,54.25 324.95,54.12 291.76,54.12 290.38,52.73 U26.4 288.07,52.73 286.86,53.95 v1(279.3,53.95) 263.35,53.95 262.16,52.76 260.12,52.76 ; U13.4 152.65,122.52 153.92,121.25 157.22,121.25 159.76,118.71 166.2,118.71 171.28,113.63 173.82,113.63 178.96,108.49 184.6,108.49 184.79,108.3 186.43,108.3 186.57,108.44 221.48,108.44 226.55,103.37 274.67,103.37 276.04,102 U23.6
  Copper w0.203: U23.6 279.15,102 279.15,98.47 280.55,97.07 280.55,55.2 v1(279.3,53.95) ; 260.12,52.76 260.12,51.61 259.83,51.61 254.37,46.15 254.37,38.09 v1(253.61,37.32)
A13: length 330.7
  Component w0.203: U23.7 276.04,99.46 274.74,100.76 241.02,100.76 v1(240.33,100.07) 229.14,100.07 225,104.21 178.98,104.21 175.13,108.07 175.13,108.9 172.94,111.09 171.3,111.09 166.22,116.17 160.13,116.17 157.59,118.71 150.33,118.71 149.06,119.98 U13.5 ; U28.26 285.82,50.22 287.02,49.03 290.63,49.03 291.8,50.19 305.62,50.19 305.98,50.55 339.17,50.55 340.32,51.71 U29.26
  Copper w0.203: U23.7 277.59,99.2 280.09,96.7 280.09,55.9 278.5,54.31 278.5,54.25 275.64,51.38 275.36,51.38 U28.26 ; U27.23 223.24,40.63 222.95,40.63 220.07,43.51 220.07,63.42 222.79,66.14 223.64,66.14 237.49,79.99 237.49,97.23 v1(240.33,100.07)
A14: length 322.7
  Component w0.203: U23.8 276.04,96.92 274.97,95.85 260.14,95.85 258.68,97.32 v1(240,97.32) 182,97.32 174.6,104.72 165,104.72 156.09,113.63 152.87,113.63 149.06,117.44 U13.6 ; U29.27 340.32,54.25 339.17,55.41 312.77,55.41 311.75,56.43 291.54,56.43 290.38,55.28 v1(277.9,55.28)
  Copper w0.203: v1(240,97.32) 238.85,96.17 238.85,89.2 239.06,88.99 241.12,88.99 241.99,88.13 241.99,84.57 241.21,83.8 239.59,83.8 238.85,83.06 238.85,78.81 223.64,63.6 222.86,63.6 220.53,61.27 220.53,45.61 222.97,43.17 223.24,43.17 U27.24 ; 275.36,52.76 275.36,53.92 276.54,53.92 v1(277.9,55.28) 279.62,57 279.62,96.45 279.15,96.92 U23.8
A15: length 281.6
  Component w0.203: U13.7 145.94,114.9 145.49,114.44 145.49,104.64 146.66,103.47 149.39,103.47 150.55,102.31 150.55,101.42 154.12,97.86 172.45,97.86 185.86,84.44 223.76,84.44 235.55,72.66 v1(235.55,72.17) 235.55,70.04 239.47,66.12 259.71,66.12 261.79,68.2 276.9,68.2 v1(278.12,66.98) 278.81,66.3 295.16,66.3 v1(300.78,60.67) ; U29.1 325.08,56.79 324.06,57.81 304.46,57.81
  Copper w0.203: U27.25 223.24,45.71 222.95,45.71 221.02,47.63 221.02,59.25 222.83,61.06 224.43,61.06 v1(235.55,72.17) ; v1(300.78,60.67) 303.31,58.14 303.31,57.81 304.46,57.81 ; v1(278.12,66.98) 279.15,68.01 279.15,94.38 U23.9
A16: length 235.8
  Component w0.203: U13.8 149.43,112.36 153.13,108.66 155.94,108.66 162.63,101.97 175.03,101.97 186.35,90.65 230.1,90.65 233.14,87.61 U30.2 241.97,87.61 243.13,88.78 251.55,88.78 252.7,87.63 283.92,87.63 v1(288.53,83.02) 303.19,83.02 315.82,95.65 317.57,95.65 323.42,101.5 323.42,112.16 U20.2
  Copper w0.203: v1(288.53,83.02) 289.51,82.05 289.51,62.42 290.38,61.55 290.38,59.41 289.94,58.97 289.23,58.97 U26.2
A17: length 222.4
  Component w0.203: K2.3 298.05,69.57 298.05,69.95 289.28,78.72 243.24,78.72 241.97,79.99 U30.5 231.96,79.99 223.35,88.59 185.5,88.59 173.95,100.14 155.12,100.14 153.3,101.96 153.3,105.58 149.06,109.82 U13.9
  Copper w0.203: K2.3 299.25,70.78 321.28,92.8 321.28,107.48 323.42,109.62 U20.3
A18: length 230.8
  Component w0.203: U13.10 149.06,107.28 149.06,106.63 151.93,103.76 151.93,101.99 154.69,99.23 173.02,99.23 184.57,87.68 222.98,87.68 233.2,77.45 U30.6 241.97,77.45 243.24,76.18 282.84,76.18 v1(288.7,70.32) 291.16,67.86 299.89,67.86 302.51,70.48 v1(302.51,70.97)
  Copper w0.203: v1(302.51,70.97) 302.51,72.63 322.76,92.87 322.76,106.42 323.42,107.08 U20.4 ; U26.1 289.23,61.51 288.7,62.03 v1(288.7,70.32)
A19: length 221
  Component w0.203: U13.11 149.06,104.74 151.01,102.79 151.01,101.61 154.31,98.31 172.64,98.31 184.19,86.76 222.16,86.76 238.85,70.07 238.85,69.83 U30.9 241.97,69.83 243.14,68.66 286.76,68.66 288.47,66.95 300.28,66.95 304.61,71.28 304.61,73.6 324.12,93.11 325.77,93.11 327.47,94.81 327.47,103.6 326.53,104.54 U20.5
A20: length 232.6
  Component w0.203: U13.14 148.85,111.01 146.64,111.01 145.94,110.32 145.94,106.76 146.58,106.12 148.32,106.12 151.47,102.97 151.47,101.8 154.5,98.77 172.83,98.77 184.38,87.22 222.79,87.22 238.79,71.21 245.09,71.21 246.47,69.83 U30.12 249.59,69.83 249.9,69.52 288.59,69.52 290.7,67.4 300.08,67.4 303.74,71.06 v1(303.74,71.54)
  Copper w0.203: U20.6 323.42,102 323.42,91.22 v1(303.74,71.54)
A21: length 239.2
  Component w0.203: U20.7 326.53,99.46 326.53,96.44 325.63,95.54 324.09,95.54 301.7,73.14 301.7,70.31 299.7,68.32 292.31,68.32 283.18,77.45 U30.15 242.61,77.45 241.23,78.83 232.47,78.83 223.16,88.14 185.31,88.14 173.76,99.69 154.87,99.69 152.38,102.18 152.38,104.87 v1(151.6,105.65)
  Copper w0.203: v1(151.6,105.65) 151.6,117.98 148.32,121.25 146.72,121.25 145.94,122.02 145.94,130.14 U13.1
A22: length 186.5
  Component w0.203: U13.13 156.68,102.2 158.28,100.6 174.14,100.6 185.69,89.05 224.19,89.05 231.87,81.37 245.09,81.37 246.47,79.99 U30.16 249.59,79.99 249.8,79.77 306.77,79.77 323.42,96.42 323.42,96.92 U20.8
